# Altium PCB PCB2 - 副本 (2).PcbDoc (part 1 of 2)
Units mil, origin at the board's own origin, x right, y up, seen from the top; angles counter-clockwise.
Board outline 4130 x 4922 mil, 2 copper layers (Top Layer, Bottom Layer); 61 components, 137 nets, 441 pads, 163 vias.
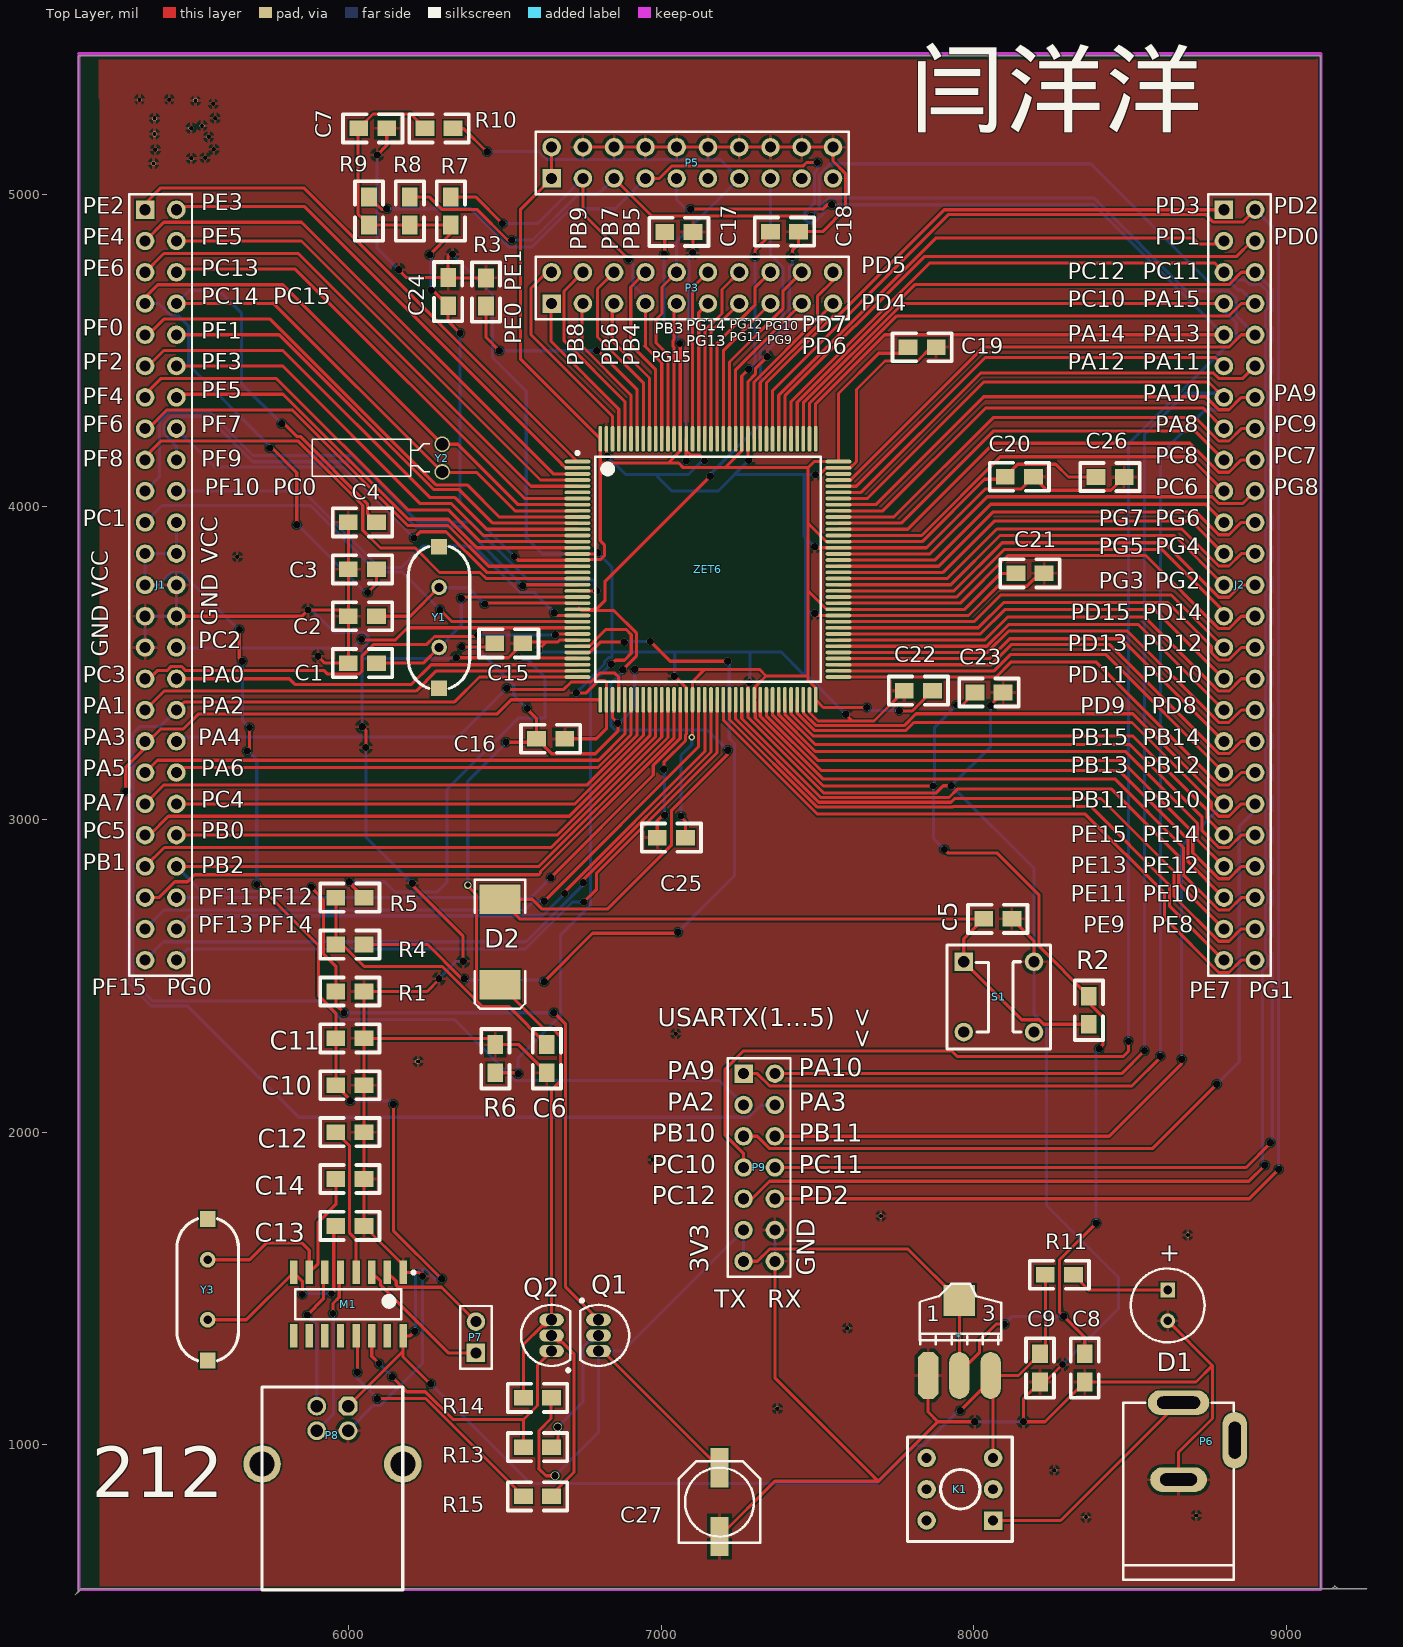
[diagram p0: Top Layer view]
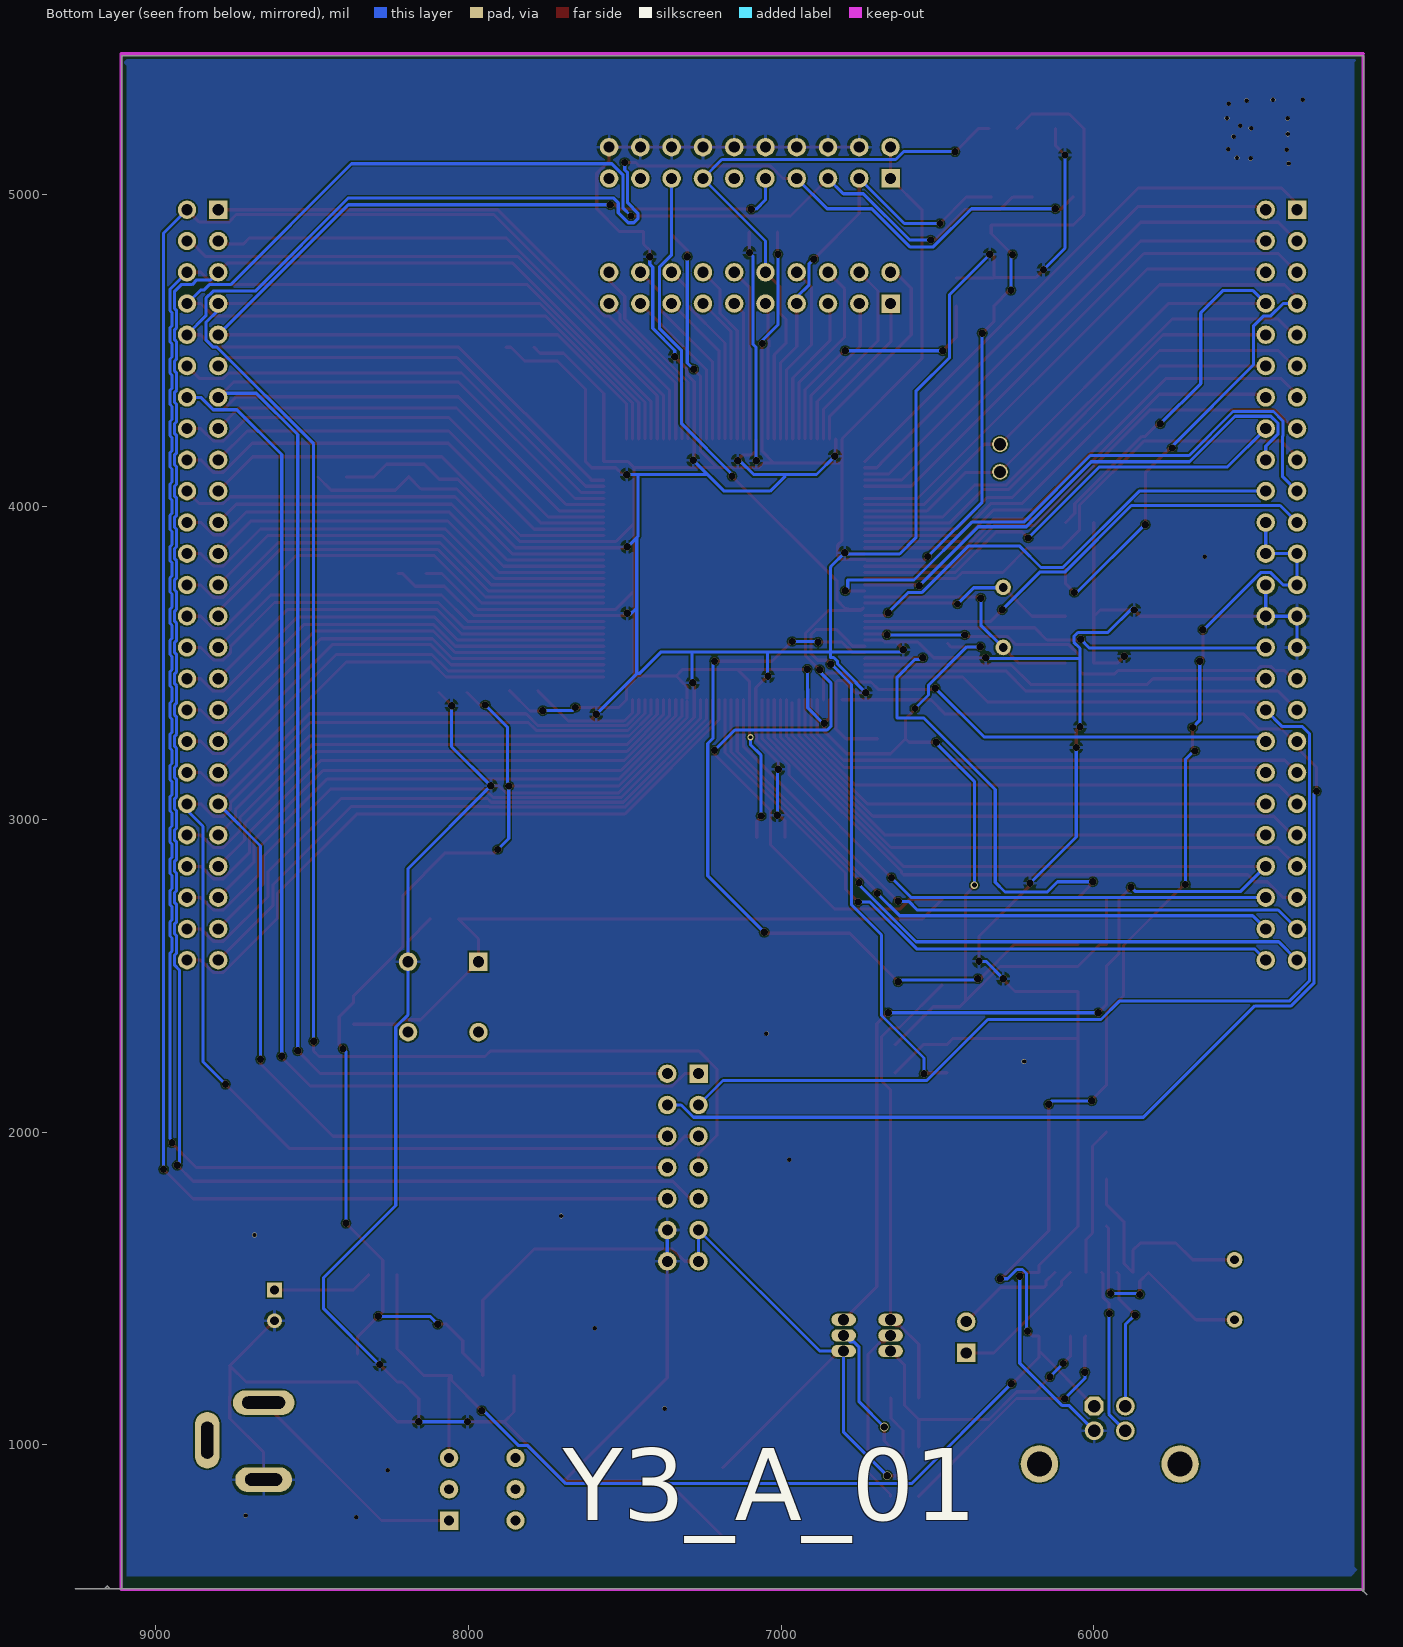
[diagram p1: Bottom Layer view, seen from below]

## Layer stack, top to bottom
Top Layer: signal copper 1.4
Dielectric: dielectric 12.6, FR-4, Dk 4.8
Bottom Layer: signal copper 1.4

## Board outline
6587,5443 5136,5443 5136,530 5127,521 5146,540 9257,540 9164,540 9155,549 9146,540 9109,540 9109,5443 6578,5443

## Design rules (kind name [scope] priority, off if disabled: settings)
Clearance [All] p1: gap=5
PolygonConnect [All] p1: connectstyle=Relief reliefconductorwidth=10 reliefentries=4 polygonreliefangle="90 Angle" airgapwidth=10
RoutingVias [All] p1: holewidth=23.62 width=23.62 viastyle="Through Hole" minholewidth=10 minwidth=10 maxholewidth=28 maxwidth=50
SilkToSilkClearance [All] p1: silktosilkclearance=3.94
SilkscreenOverComponentPads [All] p1: minsilkscreentomaskgap=5
SolderMaskExpansion [All] p1: expansion=4
Width [All] p1: maxlimit=10 minlimit=10 preferedwidth=10
26 further rules are at their usual default settings.

## Components (designator, comment, footprint, x,y, rotation, side; value= is the part's Value field where it differs from the comment)
* "ASM1117" AMS1117 7854,1222 r0 top
C1 "Cap" 0805 6000,3500 r0 top
C2 "Cap" 0805 6000,3650 r0 top
C3 "Cap" 0805 6000,3800 r0 top
C4 "Cap" 0805 6000,3950 r0 top
c5 "Cap" 0805 8122,2682 r180 top
C6 "Cap Semi" 0805 6634.94,2190 r90 top
C7 "Cap Semi" 0805 6123,5210 r180 top
C8 "Cap" 0805 8355,1201 r90 top
C9 "Cap" 0805 8212,1201 r90 top
C10 "Cap Semi" 0805 5960,2150 r0 top
C11 "Cap Semi" 0805 5960,2300 r0 top
C12 "Cap Semi" 0805 5960,2000 r0 top
C13 "Cap Semi" 0805 6050,1700 r180 top
C14 "Cap Semi" 0805 6050,1850 r180 top
C15 "Cap" 0805 6558,3563 r180 top
C16 "Cap" 0805 6692,3258 r180 top
C17 "Cap" 0805 7012,4879 r0 top
C18 "Cap" 0805 7440,4880 r180 top
C19 "Cap" 0805 7880,4510 r180 top
C20 "Cap" 0805 8191,4096 r180 top
C21 "Cap" 0805 8225,3787 r180 top
C22 "Cap" 0805 7778,3412 r0 top
C23 "Cap" 0805 8094,3406 r180 top
C24 "Cap" 0805 6319,4733 r270 top
C25 "Cap" 0805 6988,2942 r0 top
C26 "Cap" 0805 8481,4095 r180 top
C27 "Cap Pol1" CC6.56.5 7187,817 r270 top
D1 "LED3" RB.1 8620,1495 r90 top
D2 "Diode" SMC 6485,2608 r270 top
J1 "Edge Con 50" HDR2X25 5350,4950 r270 top
J2 "Edge Con 50" HDR2X25 8800,4950 r270 top
K1 "BUTTON" BTN8.5*8.5 8062,758 r180 top
M1 "CH340" ch340 6000,1450 r270 top
P3 "Header 10X2H" HDR2X10 6650,4650 r0 top
P5 "download" HDR2X10 6650,5050 r0 top
P6 "PWR2.5" POWER_002 8655,1135 r0 top
P7 "Header 2" HDR1X2 6408,1294 r90 top
P8 "MiNiUSB" USB_B1 5999,1124 r270 top
P9 "Header 7X2" HDR2X7 7264,2187 r270 top
Q1 "2N3904" TO-92A 6800,1350 r180 top
Q2 "2N3904" TO-92A 6650,1350 r0 top
R1 "Res2" 0805 5960,2450 r0 top
R2 "Res2" 0805 8368,2345 r90 top
R3 "Res2" 0805 6440,4642 r90 top
R4 "Res2" 0805 5960,2600 r0 top
R5 "Res2" 0805 5960,2750 r0 top
R6 "Res2" 0805 6470,2190 r90 top
R7 "Res2" 0805 6328,4991 r270 top
R8 "Res2" 0805 6197,4991 r270 top
R9 "Res2" 0805 6066,4991 r270 top
R10 "Res2" 0805 6335,5210 r180 top
R11 "Res2" 0805 8229,1544 r0 top
R13 "Res2" 0805 6650,992.5 r180 top
R14 "Res2" 0805 6650,1150 r180 top
R15 "Res2" 0805 6650,835 r180 top
S1 "SW-PB" key4 7968,2545 r270 top
Y1 "8MH" XTAL_US 6290,3550 r90 top
Y2 "32.76MH" XTAL4 6300,4200 r0 top
Y3 "12MHZ" XTAL_US 5550,1400 r90 top
ZET6 "MCU" LQFP144 7150,3800 r0 top

## Footprints (in the part's own frame and the unit in brackets; to place one, negate y for a bottom-side part, rotate by r counter-clockwise, add the part's x,y. Pads: shape width x height; smd on the part's side, far side on the other; paste and mask are expansions set on the pad)
0805 [mil]
  rect 60x50 smd: 1(0,-0.06) 2(90,-0.06)
  silkscreen extent -50,-45 140,45
AMS1117 [mil]
  oct 65x150 smd: 1(0.03,-0.06)
  oval 65x150 smd: 2(100.03,-0.06) 3(200.03,-0.06)
  rect 100x100 smd: 4(100.03,239.94)
  silkscreen extent -26,100 234,293
BTN8.5*8.5 [mm]
  rect 1.5x1.5 hole 0.8: 1(0,0)
  round 1.5 hole 0.8: 2(0,-2.54) 3(0,-5.08) 4(5.4,-5.08) 5(5.4,-2.54) 6(5.4,0)
  silkscreen extent -1.55,-6.79 6.95,1.71
CC6.56.5 [mm]
  rect 3.2x1.5 smd: 1(-2.794,0) 2(2.8,0)
  silkscreen extent -3.3,-3.3 3.3,3.3
ch340 [mm] "SOIC, 16-Leads, Body 8.6x4.0mm (max), Pitch 1.27mm, IPC Medium Density"
  rect 1.9x0.6 smd: 1(-2.575,4.445) 2(-2.575,3.175) 3(-2.575,1.905) 4(-2.575,0.635) 5(-2.575,-0.635) 6(-2.575,-1.905) 7(-2.575,-3.175) 8(-2.575,-4.445) 9(2.575,-4.445) 10(2.575,-3.175) 11(2.575,-1.905) 12(2.575,-0.635) 13(2.575,0.635) 14(2.575,1.905) 15(2.575,3.175) 16(2.575,4.445)
  silkscreen extent -2.7,-4.3 1.22,5.42, body extent -1.98,-4.28 1.97,4.28, height 1.7
HDR1X2 [mm] "Connector; Header; 2 Position"
  rect 1.5x1.5 hole 0.9: 1(0,0)
  round 1.5 hole 0.9: 2(2.54,0)
  silkscreen extent -1.27,-1.27 3.81,1.27
HDR2X7 [mm] "Connector; Header; 7x2 Position"
  rect 1.5x1.5 hole 0.9: 1(0,0)
  round 1.5 hole 0.9: 2(0,2.54) 3(2.54,0) 4(2.54,2.54) 5(5.08,0) 6(5.08,2.54) 7(7.62,0) 8(7.62,2.54) 9(10.16,0) 10(10.16,2.54) 11(12.7,0) 12(12.7,2.54) 13(15.24,0) 14(15.24,2.54)
  silkscreen extent -1.27,-1.27 16.51,3.81
HDR2X10 [mm] "Connector; Header; 10x2 Position"
  rect 1.5x1.5 hole 0.9: 1(0,0)
  round 1.5 hole 0.9: 2(0,2.54) 3(2.54,0) 4(2.54,2.54) 5(5.08,0) 6(5.08,2.54) 7(7.62,0) 8(7.62,2.54) 9(10.16,0) 10(10.16,2.54) 11(12.7,0) 12(12.7,2.54) 13(15.24,0) 14(15.24,2.54) 15(17.78,0) 16(17.78,2.54) 17(20.32,0) 18(20.32,2.54) 19(22.86,0) 20(22.86,2.54)
  silkscreen extent -1.27,-1.27 24.13,3.81
HDR2X25 [mm] "Connector; Header; 25x2 Position"
  rect 1.5x1.5 hole 0.9: 1(0,0)
  round 1.5 hole 0.9: 2(0,2.54) 3(2.54,0) 4(2.54,2.54) 5(5.08,0) 6(5.08,2.54) 7(7.62,0) 8(7.62,2.54) 9(10.16,0) 10(10.16,2.54) 11(12.7,0) 12(12.7,2.54) 13(15.24,0) 14(15.24,2.54) 15(17.78,0) 16(17.78,2.54) 17(20.32,0) 18(20.32,2.54) 19(22.86,0) 20(22.86,2.54) 21(25.4,0) 22(25.4,2.54) 23(27.94,0) 24(27.94,2.54) 25(30.48,0) 26(30.48,2.54) 27(33.02,0) 28(33.02,2.54) 29(35.56,0) 30(35.56,2.54) 31(38.1,0) 32(38.1,2.54) 33(40.64,0) 34(40.64,2.54) 35(43.18,0) 36(43.18,2.54) 37(45.72,0) 38(45.72,2.54) 39(48.26,0) 40(48.26,2.54) 41(50.8,0) 42(50.8,2.54) 43(53.34,0) 44(53.34,2.54) 45(55.88,0) 46(55.88,2.54) 47(58.42,0) 48(58.42,2.54) 49(60.96,0) 50(60.96,2.54)
  silkscreen extent -1.27,-1.27 62.23,3.81
key4 [mm]
  round 1.5 hole 0.9: 1(0,5.715) 3(5.715,0) 4(5.715,5.715)
  rect 1.5x1.5 hole 0.9: 2(0,0)
  silkscreen extent -1.37,-1.35 7.09,7.04
LQFP144 [mm] "144-Pin Thin Quad Flat Pack 0.5 mm Pitch, IPC Low Density"
  oval 2.1x0.3 smd: 1(-10.6,8.75) 2(-10.6,8.25) 3(-10.6,7.75) 4(-10.6,7.25) 5(-10.6,6.75) 6(-10.6,6.25) 7(-10.6,5.75) 8(-10.6,5.25) 9(-10.6,4.75) 10(-10.6,4.25) 11(-10.6,3.75) 12(-10.6,3.25) 13(-10.6,2.75) 14(-10.6,2.25) 15(-10.6,1.75) 16(-10.6,1.25) 17(-10.6,0.75) 18(-10.6,0.25) 19(-10.6,-0.25) 20(-10.6,-0.75) 21(-10.6,-1.25) 22(-10.6,-1.75) 23(-10.6,-2.25) 24(-10.6,-2.75) 25(-10.6,-3.25) 26(-10.6,-3.75) 27(-10.6,-4.25) 28(-10.6,-4.75) 29(-10.6,-5.25) 30(-10.6,-5.75) 31(-10.6,-6.25) 32(-10.6,-6.75) 33(-10.6,-7.25) 34(-10.6,-7.75) 35(-10.6,-8.25) 36(-10.6,-8.75) 73(10.6,-8.75) 74(10.6,-8.25) 75(10.6,-7.75) 76(10.6,-7.25) 77(10.6,-6.75) 78(10.6,-6.25) 79(10.6,-5.75) 80(10.6,-5.25) 81(10.6,-4.75) 82(10.6,-4.25) 83(10.6,-3.75) 84(10.6,-3.25) 85(10.6,-2.75) 86(10.6,-2.25) 87(10.6,-1.75) 88(10.6,-1.25) 89(10.6,-0.75) 90(10.6,-0.25) 91(10.6,0.25) 92(10.6,0.75) 93(10.6,1.25) 94(10.6,1.75) 95(10.6,2.25) 96(10.6,2.75) 97(10.6,3.25) 98(10.6,3.75) 99(10.6,4.25) 100(10.6,4.75) 101(10.6,5.25) 102(10.6,5.75) 103(10.6,6.25) 104(10.6,6.75) 105(10.6,7.25) 106(10.6,7.75) 107(10.6,8.25) 108(10.6,8.75)
  oval 0.3x2.1 smd: 37(-8.75,-10.6) 38(-8.25,-10.6) 39(-7.75,-10.6) 40(-7.25,-10.6) 41(-6.75,-10.6) 42(-6.25,-10.6) 43(-5.75,-10.6) 44(-5.25,-10.6) 45(-4.75,-10.6) 46(-4.25,-10.6) 47(-3.75,-10.6) 48(-3.25,-10.6) 49(-2.75,-10.6) 50(-2.25,-10.6) 51(-1.75,-10.6) 52(-1.25,-10.6) 53(-0.75,-10.6) 54(-0.25,-10.6) 55(0.25,-10.6) 56(0.75,-10.6) 57(1.25,-10.6) 58(1.75,-10.6) 59(2.25,-10.6) 60(2.75,-10.6) 61(3.25,-10.6) 62(3.75,-10.6) 63(4.25,-10.6) 64(4.75,-10.6) 65(5.25,-10.6) 66(5.75,-10.6) 67(6.25,-10.6) 68(6.75,-10.6) 69(7.25,-10.6) 70(7.75,-10.6) 71(8.25,-10.6) 72(8.75,-10.6) 109(8.75,10.6) 110(8.25,10.6) 111(7.75,10.6) 112(7.25,10.6) 113(6.75,10.6) 114(6.25,10.6) 115(5.75,10.6) 116(5.25,10.6) 117(4.75,10.6) 118(4.25,10.6) 119(3.75,10.6) 120(3.25,10.6) 121(2.75,10.6) 122(2.25,10.6) 123(1.75,10.6) 124(1.25,10.6) 125(0.75,10.6) 126(0.25,10.6) 127(-0.25,10.6) 128(-0.75,10.6) 129(-1.25,10.6) 130(-1.75,10.6) 131(-2.25,10.6) 132(-2.75,10.6) 133(-3.25,10.6) 134(-3.75,10.6) 135(-4.25,10.6) 136(-4.75,10.6) 137(-5.25,10.6) 138(-5.75,10.6) 139(-6.25,10.6) 140(-6.75,10.6) 141(-7.25,10.6) 142(-7.75,10.6) 143(-8.25,10.6) 144(-8.75,10.6)
  silkscreen extent -10.72,-9.15 9.15,9.57, body extent -10,-10 10,10, height 1.6
POWER_002 [mm]
  oval 5x2 hole 1 slot 3.5 at 0 deg: 1(0,0)
  oval 4.6x2 hole 1 slot 3 at 0 deg: 2(0,-6.25)
  oval 2x4.6 hole 1 slot 3 at 90 deg: 3(4.572,-3.048)
  silkscreen extent -4.5,-14.4 4.5,0, body extent -4.76,-13.66 4.75,0.17, height 11.02
RB.1 [mm]
  rect 1.2x1.2 hole 0.7: 1(0.001,-0.007)
  round 1.2 hole 0.7: 2(-2.499,-0.007)
  silkscreen extent -4.25,-3.01 1.75,2.99
SMC [mm] "DO-214-AB/SMC; 2 C-Bend Leads; Body 7.9 x 5.9 mm, inc. leads (LxW)"
  rect 2.4x3.3 smd: 1(-3.475,0) 2(3.475,0)
  silkscreen extent -5.07,-2.05 5.43,2.05
TO-92A [mm] "TO, Flat Index; 3 In-Line, Axial Leads; Body Dia. 4.5mm; Leads 0.51 x 0.48 mm (max)"
  oval 2x1 hole 0.9: 1(0,-1.27) 2(0,0) 3(0,1.27)
  silkscreen extent -2.48,-2.95 1.5,2.48, body extent -2.5,-2.5 1.5,2.5, height 6.86
USB_B1 [mil] "USB方?"
  oct 60x60 hole 40: 1(0,0)
  round 60 hole 40: 2(0,-100) 3(78.74,-100) 4(78.74,0)
  round 120 hole 80: 5(185.04,175) 6(185.04,-275)
  silkscreen extent -61,-275 589,175
XTAL4 [mm]
  round 1.27 hole 1: 1(0,0) 2(0,-2.25)
  silkscreen extent -10.55,-2.61 -1.01,0.39
XTAL_US [mil]
  round 50 hole 28: 1(0,0) 2(192.13,0)
  rect 50x50 smd: ""(-130.32,0) ""(322.44,0)
  silkscreen extent -131,-98 323,98

## Part data
C1 C2 C3 C4 c5 C8 C9 C15 C16 C17 C18 C19 C20 C21 C22 C23 C24 C25 C26: "Capacitor"
C6 C7 C10 C11 C12 C13 C14: "Capacitor (Semiconductor SIM Model)"
C27: "Polarized Capacitor (Radial)"
D1: "Typical BLUE SiC LED"
D2: "Default Diode"
J1 J2: "50-Pin Edge Connector"
P3: "Header, 10-Pin, Dual row, Right Angle"
P6: "Low Voltage Power Supply Connector"
P7: "Header, 2-Pin"
P8: library part "Header 6", "Header, 6-Pin"
P9: "Header, 7-Pin, Dual row"
Q1 Q2: "NPN General Purpose Amplifier"
R1 R2 R3 R4 R5 R6 R7 R8 R9 R10 R11 R13 R14 R15: "Resistor"
S1: "Switch"
Y1 Y2 Y3: library part XTAL, "Crystal Oscillator"
ZET6: library part Component_1

## Via types
v1: diameter 23.62, hole 23.62, Top Layer to Bottom Layer, tented both sides, 133 vias
v2: diameter 15, hole 14, Top Layer to Bottom Layer, tented both sides, 26 vias
v3: diameter 27.56, hole 23.62, Top Layer to Bottom Layer, tented both sides, 2 vias
v4: diameter 19.68, hole 11.81, Top Layer to Bottom Layer, tented both sides, 1 vias
v5: diameter 23.62, hole 15.75, Top Layer to Bottom Layer, tented both sides, 1 vias

## Nets (pads, with @x,y where several pads share a name; then routed paths per layer and width w, separated by ;. In a path a pad name is that pad's centre, name@x,y a point inside that pad or via, vN(x,y) a via of type N, cw(c..) or ccw(c..) an arc to the next point about the centre after c; other vN are vias at no path point)
BOOT0: R3.1 ZET6.138 | length 810.9
  Top Layer w10: R3.1@6440.06,4642 6440.06,4541.94 v1(6483,4499) ; v1(6795,4499) 6799,4499 6923.62,4374.38 ZET6.138@6923.62,4217.32
  Bottom Layer w10: v1(6483,4499) 6484,4498 6485,4499 v1(6795,4499)
NetC12_1: C12.1 M1.4 | length 475.5
  Top Layer w10: C12.1@5960,1999.94 6004,1955.94 6004,1676.92 6025,1655.92 M1.4@6025,1551.38
NetC13_2: C13.2 M1.8 Y3.1 | length 735.8
  Top Layer w10: Y3.1@5550,1400 5673.62,1400 M1.8@5825,1551.38 5853,1523.38 v1(5853,1481) ; v1(5946,1484) 5953.19,1491.19 5953.19,1693.25 C13.2@5960,1700.06
  Bottom Layer w10: v1(5853,1481) 5856,1484 v1(5946,1484)
NetC14_2: C14.2 M1.7 Y3.2 | length 760.9
  Top Layer w10: Y3.2@5550,1592.13 5684.13,1592.13 5737,1645 5852,1645 5875,1622 M1.7@5875,1551.38 5903.19,1579.57 5903.19,1712.4 5960,1769.21 C14.2@5960,1850.06
NetD1_1: D1.1 R11.2 | length 321.5
  Top Layer w10: R11.2@8319,1543.94 8367.88,1495.06 D1.1@8620.29,1495.06
NetD2_2: D2.2 Q2.3 R14.2 | length 1474
  Top Layer w10: D2.2@6485,2471.19 6623.19,2333 6651.14,2333 6679,2305.14 6679,2164.86 6650,2135.86 Q2.3@6650,1400 6629.69,1379.68 6618.02,1379.68 6560,1321.66 R14.2@6560,1150.06
NetK1_1: K1.1 P6.1 | length 749.2
  Top Layer w10: K1.1@8062,758 8278,758 P6.1@8655,1135
NetM1_2: M1.2 P7.2 | length 356
  Top Layer w10: M1.2@6125,1551.38 6153.19,1523.19 6153.19,1509.83 6159.05,1503.98 6298.02,1503.98 P7.2@6408,1394
NetM1_3: M1.3 P7.1 | length 447.4
  Top Layer w10: M1.3@6075,1551.38 6103.19,1523.19 6103.19,1509.83 6319.02,1294 P7.1@6408,1294
NetM1_5: M1.5 P8.3 | length 539
  Top Layer w10: v1(5951,1420) 5951,1452 5971,1472 5971,1547.38 M1.5@5975,1551.38
  Bottom Layer w10: P8.3@5899,1045.26 5952,1098.26 5952,1420 v1(5951,1420)
NetM1_6: M1.6 P8.2 | length 464.4
  Top Layer w10: v1(5868,1415) 5920,1467 5920,1546.38 M1.6@5925,1551.38
  Bottom Layer w10: v1(5868,1415) 5869,1415 5899,1385 P8.2@5899,1124
NetM1_13: M1.13 R15.2 | length 826.2
  Top Layer w10: M1.13@6025,1348.62 6029,1344.62 v1(6029,1232) ; v1(6093,1148) 6247.06,1148 R15.2@6560,835.06
  Bottom Layer w10: v1(6029,1232) 6028,1231 6028,1213 v1(6093,1148)
NetM1_14: M1.14 Q2.1 R13.2 | length 981.4
  Top Layer w10: M1.14@6075,1348.62 6075,1283 v1(6098,1260) ; v1(6140,1218) 6140,1217 6187.19,1169.81 6246.47,1169.81 6335.35,1080.92 6560,1080.92 ; R13.2@6560,992.56 6560,1080.92 ; Q2.1@6650,1300 6605,1255 6605,1125.92 6560,1080.92
  Bottom Layer w10: v1(6098,1260) 6098,1257 6101,1257 v1(6140,1218)
NetP6_3: P6.3
NetQ1_2: Q1.2 R13.1 | length 426.4
  Top Layer w10: R13.1@6650,992.56 6670,1012.57 v3(6670,1057)
  Bottom Layer w10: v3(6670,1057) 6750.63,1137.63 6750.63,1312.3 6768.02,1329.68 6779.69,1329.68 Q1.2@6800,1350
NetQ2_2: Q2.2 R15.1 | length 581.4
  Top Layer w10: R15.1@6650,835.06 6650,841 6722,913 6722,1289.67 6681.98,1329.68 6670.31,1329.68 Q2.2@6650,1350
NRST: c5.2 D2.1 P5.15 R2.1 S1.2 ZET6.25 | length 5893.2
  Top Layer w10: v1(6877,3479) 6877.11,3479 6922,3523.89 6922,3595 6848.73,3668.27 6744.02,3668.27 6736.46,3675.83 6747.31,3672 6777,3672 6795.83,3675.83 6821,3701 6821,3762 v1(7157,4098) ; v1(7213,3221) 7213,3209 7033.81,3029.81 7033.81,2918.6 6829.4,2714.19 6618.97,2714.19 6588.34,2744.81 D2.1@6485,2744.81 6547.75,2682.06 c5.2@8032,2682.06 7968,2618.07 S1.2@7968,2545 8153.47,2359.53 8209.37,2359.53 8223.9,2345 R2.1@8368.06,2345
  Bottom Layer w10: v1(6877,3479) 6877,3472 6840.19,3435.19 6840.19,3298.97 6852.97,3286.19 7147.81,3286.19 v1(7213,3221) ; v1(7157,4098) 7157,4104 7318.19,4265.19 7318.19,4499.4 7389.53,4570.74 7389.53,4766.37 7350,4805.9 P5.15@7350,5050
OSC_IN: C1.2 Y1.1 ZET6.23 | length 781.2
  Top Layer w10: C1.2@6090,3499.94 6239.94,3499.94 Y1.1@6290,3550 ; v1(6361,3708) 6364.42,3711.42 ZET6.23@6732.68,3711.42
  Bottom Layer w10: Y1.1@6290,3550 6361,3621 v1(6361,3708)
OSC_OUT: C2.2 Y1.2 ZET6.24 | length 708
  Top Layer w10: C2.2@6090,3649.94 6197.81,3649.94 Y1.2@6290,3742.12 ; v1(6436,3689) 6436,3691.46 6435.73,3691.73 ZET6.24@6732.68,3691.73
  Bottom Layer w10: Y1.2@6290,3742.12 6291.12,3741 6384,3741 6435,3690 6437,3690 v1(6436,3689)
PA0: J1.32 ZET6.34 | length 1316.2
  Top Layer w10: J1.32@5450,3450 5811,3450 5829,3432 6202,3432 6264.88,3494.88 ZET6.34@6732.68,3494.88
PA1: J1.33 ZET6.35 | length 1434.5
  Top Layer w10: J1.33@5350,3350 5410.47,3410.47 6216.65,3410.47 6281.37,3475.2 ZET6.35@6732.68,3475.2
PA2: J1.34 P9.3 ZET6.36 | length 4406.2
  Top Layer w10: J1.34@5450,3350 5476,3376 6340,3376 6419.51,3455.51 ZET6.36@6732.68,3455.51
  Bottom Layer w10: J1.34@5450,3350 5397,3297 5332.57,3297 5310.47,3274.9 5310.47,2483.53 5375,2419 5918.15,2419 5976.97,2360.19 6338.97,2360.19 6533.97,2165.19 7185.81,2165.19 P9.3@7264,2087
PA3: J1.35 P9.4 ZET6.37 | length 4575.5
  Top Layer w10: v1(5288,3090) 5288,3167.06 5350,3229.06 J1.35@5350,3250 5360,3250 5399.53,3289.53 5472.53,3289.53 5520,3337 6475,3337 6520.68,3382.68 ZET6.37@6805.51,3382.68
  Bottom Layer w10: v1(5288,3090) 5289,3090 5295.47,3083.53 5295.47,2477.31 5368.79,2404 5485,2404 5841.53,2047.47 7280.37,2047.47 7319.9,2087 P9.4@7364,2087
PA4: J1.36 ZET6.40 | length 1588.4
  Top Layer w10: v1(6507,3420) 6507,3416 6689,3416 6712.61,3439.61 6774.7,3439.61 6803,3467.91 6852.09,3467.91 6864.57,3455.43 ZET6.40@6864.57,3382.68
  Bottom Layer w10: J1.36@5450,3250 5464,3264 6351,3264 v1(6507,3420)
PA5: J1.37 ZET6.41 | length 1694.7
  Top Layer w10: J1.37@5350,3150 5389.53,3189.53 6800.53,3189.53 6884.25,3273.25 ZET6.41@6884.25,3382.68
PA6: J1.38 ZET6.42 | length 1615.5
  Top Layer w10: J1.38@5450,3150 5466,3166 6798.46,3166 6903.94,3271.48 ZET6.42@6903.94,3382.68
PA7: J1.39 ZET6.43 | length 1777.5
  Top Layer w10: J1.39@5350,3050 5410.47,3110.47 6764.14,3110.47 6923.62,3269.95 ZET6.43@6923.62,3382.68
PA8: J2.15 ZET6.100 | length 1396.3
  Top Layer w10: ZET6.100@7567.32,3987.01 7709.01,3987.01 8038,4316 8734,4316 J2.15@8800,4250
PA9: J2.14 P9.1 ZET6.101 | length 5209
  Top Layer w10: P9.1@7264,2187 7308.1,2187 7347.63,2147.47 8505.47,2147.47 8601,2243 v1(8597,2243) ; ZET6.101@7567.32,4006.69 7686.69,4006.69 8032,4352 8742.1,4352 8783.63,4310.47 8816.37,4310.47 8855.9,4350 J2.14@8900,4350
  Bottom Layer w10: v1(8597,2243) 8597,4167 8740.47,4310.47 8816.37,4310.47 8855.9,4350 J2.14@8900,4350
PA10: J2.13 P9.2 ZET6.102 | length 4904.6
  Top Layer w10: P9.2@7364,2187 8473,2187 v1(8546,2260) ; ZET6.102@7567.32,4026.38 7659.38,4026.38 8032,4399 8751,4399 J2.13@8800,4350
  Bottom Layer w10: v1(8546,2260) 8546,4231 8678,4363 8787,4363 J2.13@8800,4350
PA11: J2.12 ZET6.103 | length 1514.5
  Top Layer w10: ZET6.103@7567.32,4046.06 7640.06,4046.06 8022,4428 8766.1,4428 8783.63,4410.47 8860.47,4410.47 J2.12@8900,4450
PA12: J2.11 ZET6.104 | length 1414.2
  Top Layer w10: ZET6.104@7567.32,4065.75 7624.75,4065.75 8036,4477 8773,4477 J2.11@8800,4450
PA13: J2.10 P5.7 R9.1 ZET6.105 | length 5050
  Top Layer w10: R9.1@6065.94,4991 6105.93,4951 6121,4951 v1(6123,4953) ; P5.7@6950,5050 6994.1,5050 7033.63,5089.53 7453.53,5089.53 7465,5101 v1(7500,5101) ; ZET6.105@7567.32,4085.43 7567.76,4085 7607.12,4085 7609.34,4089.21 8030.6,4510.47 8816.37,4510.47 8855.9,4550 J2.10@8900,4550
  Bottom Layer w10: v1(6123,4953) 6391.15,4953 6512.97,4831.19 6588.4,4831.19 6710.21,4953 6853,4953 P5.7@6950,5050 ; v1(7500,5101) 7500,5077.11 7491,5068.11 7491,4971.85 7458.19,4939.03 7458.19,4920.97 7470.97,4908.19 7489.03,4908.19 7521,4940.15 7521,4971.85 7536.97,4987.81 8383.4,4987.81 8681.69,4689.53 8816.37,4689.53 8839.53,4666.37 8839.53,4610.47 J2.10@8900,4550
PA14: J2.9 P5.9 ZET6.109 | length 3517.6
  Top Layer w10: v1(7095,4952) 7517,4952 7531,4966 v1(7546,4966) ; ZET6.109@7494.49,4217.32 7494.49,4329.64 7714.85,4550 J2.9@8800,4550
  Bottom Layer w10: P5.9@7050,5050 7050,4982 7080,4952 v1(7095,4952) ; v1(7546,4966) 8384,4966 J2.9@8800,4550
PA15: J2.8 P5.5 R8.1 ZET6.110 | length 4879
  Top Layer w10: R8.1@6196.94,4991 6258.79,4991 6298.79,4951 6411,4951 6509,4853 v1(6522,4853) ; P5.5@6850,5050 6970,4930 v1(7480,4930) ; ZET6.110@7474.8,4217.32 7474.8,4331.16 7754.11,4610.47 8816.37,4610.47 8855.9,4650 J2.8@8900,4650
  Bottom Layer w10: v1(6522,4853) 6589,4853 6737,5001 6801,5001 P5.5@6850,5050 ; v1(7480,4930) 7506,4956 7506,5061.9 7541.1,5097 8373.94,5097 8760.47,4710.47 8828.53,4710.47 8846,4693 8857,4693 J2.8@8900,4650
PB0: J1.42 ZET6.46 | length 1780.6
  Top Layer w10: J1.42@5450,2950 6667.31,2950 6971.22,3253.91 6982.68,3265.37 ZET6.46@6982.68,3382.68
PB1: J1.43 ZET6.47 | length 1942.6
  Top Layer w10: J1.43@5350,2850 5351,2850 5411.47,2910.47 6649,2910.47 6977.43,3238.91 7002.36,3263.84 ZET6.47@7002.36,3382.68
PB2: J1.44 Q1.1 R1.1 ZET6.48 | length 4490.6
  Top Layer w10: J1.44@5450,2850 6609.74,2850 6983.64,3223.91 7022.05,3262.31 ZET6.48@7022.05,3382.68 ; v1(5881,2783) 5920,2744 5920,2570.79 5960,2530.79 R1.1@5960,2449.94 5960,2408 v1(5986,2382) ; v1(6657,2382) 6659,2382 6694,2347 6694,1506 Q1.1@6800,1400
  Bottom Layer w10: J1.44@5450,2850 5530,2770 5868,2770 v1(5881,2783) ; v1(5986,2382) v1(6657,2382)
PB3: P3.10 P5.13 R10.1 ZET6.133 | length 1939.9
  Top Layer w10: R10.1@6335,5210.06 6367.94,5210.06 6442,5136 v1(6444,5136) ; ZET6.133@7022.05,4217.32 7022.05,4485.95 6984,4524 6984,4599 7003,4618 7003,4703 P3.10@7050,4750
  Bottom Layer w10: v1(6444,5136) 6608.1,5136 6633.63,5110.47 7189.53,5110.47 P5.13@7250,5050 7050,4850 P3.10@7050,4750
PB4: P3.7 P5.3 R7.1 ZET6.134 | length 1455.8
  Top Layer w10: R7.1@6327.94,4991 6407,4991 v1(6492,4906) ; P5.3@6750,5050 6750,4938 v1(6896,4792) ; P3.7@6950,4650 6950,4516 6948,4514 7002.36,4459.64 ZET6.134@7002.36,4217.32
  Bottom Layer w10: v1(6492,4906) 6606,4906 P5.3@6750,5050 ; v1(6896,4792) 6910.47,4777.53 6910.47,4710.47 6950,4670.94 P3.7@6950,4650
PB5: P3.8 ZET6.135 | length 585.1
  Top Layer w10: P3.8@6950,4750 6903,4703 6903,4518 6982.68,4438.32 ZET6.135@6982.68,4217.32
PB6: P3.5 ZET6.136 | length 484.5
  Top Layer w10: P3.5@6850,4650 6844,4644 6844,4531 6962.99,4412.01 ZET6.136@6962.99,4217.32
PB7: P3.6 ZET6.137 | length 615.2
  Top Layer w10: P3.6@6850,4750 6797,4697 6797,4543 6943.31,4396.69 ZET6.137@6943.31,4217.32
PB8: P3.3 ZET6.139 | length 498.9
  Top Layer w10: P3.3@6750,4650 6747,4647 6747,4514 6903.94,4357.06 ZET6.139@6903.94,4217.32
PB9: P3.4 ZET6.140 | length 638
  Top Layer w10: P3.4@6750,4750 6690,4690 6690,4531 6884.25,4336.75 ZET6.140@6884.25,4217.32
PB10: J2.40 P9.5 ZET6.69 | length 4256.6
  Top Layer w10: P9.5@7264,1987 7308.1,1987 7347.63,1947.47 8571.47,1947.47 v1(8777,2153) ; ZET6.69@7435.43,3382.68 7435.43,3339.14 7489.57,3285 7783.49,3285 7808.49,3310 8506,3310 8760.47,3055.53 8760.47,3033.63 8783.63,3010.47 8816.37,3010.47 8855.9,3050 J2.40@8900,3050
  Bottom Layer w10: v1(8777,2153) 8849,2225 8849,2978.06 8900,3029.06 J2.40@8900,3050
PB11: J2.39 P9.6 ZET6.70 | length 3822.8
  Top Layer w10: P9.6@7364,1987 8433,1987 8665,2219 v1(8665,2233) ; ZET6.70@7455.12,3382.68 7455.12,3340.67 7495.79,3300 7777.28,3300 7815.28,3338 8509,3338 8797,3050 J2.39@8800,3050
  Bottom Layer w10: v1(8665,2233) 8665,2915 J2.39@8800,3050
PB12: J2.38 ZET6.73 | length 1532.1
  Top Layer w10: ZET6.73@7567.32,3455.51 8071.51,3455.51 8120,3504 8390.1,3504 8783.63,3110.47 8816.37,3110.47 8855.9,3150 J2.38@8900,3150
PB13: J2.37 ZET6.74 | length 1411.1
  Top Layer w10: ZET6.74@7567.32,3475.2 8065.2,3475.2 8118,3528 8422,3528 J2.37@8800,3150
PB14: J2.36 ZET6.75 | length 1520
  Top Layer w10: ZET6.75@7567.32,3494.88 8055.88,3494.88 8120,3559 8435.1,3559 8783.63,3210.47 8816.37,3210.47 8855.9,3250 J2.36@8900,3250
PB15: J2.35 ZET6.76 | length 1394.8
  Top Layer w10: ZET6.76@7567.32,3514.57 8051.57,3514.57 8115,3578 8472,3578 J2.35@8800,3250
PC0: J1.20 ZET6.26 | length 1503.7
  Top Layer w10: v1(6658,3661) 6666.64,3652.36 ZET6.26@6732.68,3652.36
  Bottom Layer w10: J1.20@5450,4050 5855,4050 6099,3806 6169,3806 6237,3874 6401.15,3874 6548.97,3726.19 6592.81,3726.19 v1(6658,3661)
PC1: J1.21 ZET6.27 | length 1558.9
  Top Layer w10: v1(6293,3671) 6331.32,3632.68 ZET6.27@6732.68,3632.68
  Bottom Layer w10: J1.21@5350,3950 5404,4004 5879.79,4004 6092.79,3791 6173,3791 v1(6293,3671)
PC2: J1.30 ZET6.28 | length 1312.1
  Top Layer w10: v1(6042,3576) 6044,3574 6150,3574 6188.99,3612.99 ZET6.28@6732.68,3612.99
  Bottom Layer w10: J1.30@5450,3550 5452,3548 6014,3548 v1(6042,3576)
PC3: J1.31 ZET6.29 | length 1490.7
  Top Layer w10: J1.31@5350,3450 5363,3450 5389,3476 5420.1,3476 5433.63,3489.53 5466.37,3489.53 5479.9,3476 5923,3476 5934.06,3464.94 6034.14,3464.94 6044,3474.79 6044,3523.08 6079.92,3559 6249.5,3559 6275.5,3585 6408,3585 v1(6413,3590) ; v1(6661.47,3590.53) 6664.25,3593.31 ZET6.29@6732.68,3593.31
  Bottom Layer w10: v1(6413,3590) 6413.06,3590 6413.53,3589.53 v1(6661.47,3590.53)
PC4: J1.40 ZET6.44 | length 1698
  Top Layer w10: J1.40@5450,3050 6724.88,3050 6943.31,3268.42 ZET6.44@6943.31,3382.68
PC5: J1.41 ZET6.45 | length 1851.3
  Top Layer w10: J1.41@5350,2950 5364,2950 5424.47,3010.47 6706.57,3010.47 6965,3268.9 ZET6.45@6965,3373.11
PC6: J2.19 ZET6.96 | length 1382.5
  Top Layer w10: ZET6.96@7567.32,3908.27 7833.27,3908.27 8085,4160 8690,4160 J2.19@8800,4050
PC7: J2.18 ZET6.97 | length 1501.3
  Top Layer w10: ZET6.97@7567.32,3927.95 7788.95,3927.95 8064,4203 8691.1,4203 8783.63,4110.47 8816.37,4110.47 8855.9,4150 J2.18@8900,4150
PC8: J2.17 ZET6.98 | length 1392.7
  Top Layer w10: ZET6.98@7567.32,3947.64 7767.64,3947.64 8062,4242 8708,4242 J2.17@8800,4150
PC9: J2.16 ZET6.99 | length 1511.5
  Top Layer w10: ZET6.99@7567.32,3967.32 7744.32,3967.32 8062,4285 8709.1,4285 8783.63,4210.47 8816.37,4210.47 8855.9,4250 J2.16@8900,4250
PC10: J2.7 P9.7 ZET6.111 | length 5816.4
  Top Layer w10: P9.7@7264,1887 7264,1931.1 7205,1990.1 7205,2201.2 7263.8,2260 7929,2260 7947,2242 8478,2242 8495,2259 v1(8495,2291) ; ZET6.111@7455.12,4217.32 7455.12,4332.69 7772.43,4650 J2.7@8800,4650
  Bottom Layer w10: v1(8495,2291) 8495,4201.21 8804.26,4510.47 8816.37,4510.47 8839.53,4533.63 8839.53,4589.26 8800,4628.79 J2.7@8800,4650
PC11: J2.6 P9.8 ZET6.112 | length 6284
  Top Layer w10: P9.8@7364,1887 8871,1887 v1@8947,1963 ; ZET6.112@7435.43,4217.32 7435.43,4334.22 7811.69,4710.47 8816.37,4710.47 8855.9,4750 J2.6@8900,4750
  Bottom Layer w10: J2.6@8900,4750 8954.53,4695.47 8954.53,4627.41 8948,4620.89 8948,4579.11 8954.53,4572.59 8954.53,4527.41 8948,4520.89 8948,4479.11 8954.53,4472.59 8954.53,4427.41 8948,4420.89 8948,4379.11 8954.53,4372.59 8954.53,4327.41 8948,4320.89 8948,4279.11 8954.53,4272.59 8954.53,4227.41 8948,4220.89 8948,4179.11 8954.53,4172.59 8954.53,4127.41 8948,4120.89 8948,4079.11 8954.53,4072.59 8954.53,4027.41 8948,4020.89 8948,3979.11 8954.53,3972.59 8954.53,3927.41 8948,3920.89 8948,3879.11 8954.53,3872.59 8954.53,3827.41 8948,3820.89 8948,3779.11 8954.53,3772.59 8954.53,3727.41 8948,3720.89 8948,3679.11 8954.53,3672.59 8954.53,3627.41 8948,3620.89 8948,3579.11 8954.53,3572.59 8954.53,3527.41 8948,3520.89 8948,3479.11 8954.53,3472.59 8954.53,3427.41 8948,3420.89 8948,3379.11 8954.53,3372.59 8954.53,3327.41 8948,3320.89 8948,3279.11 8954.53,3272.59 8954.53,3227.41 8948,3220.89 8948,3179.11 8954.53,3172.59 8954.53,3127.41 8948,3120.89 8948,3079.11 8954.53,3072.59 8954.53,3027.41 8948,3020.89 8948,2979.11 8954.53,2972.59 8954.53,2927.41 8948,2920.89 8948,2879.11 8954.53,2872.59 8954.53,2827.41 8948,2820.89 8948,2779.11 8954.53,2772.59 8954.53,2727.41 8948,2720.89 8948,2679.11 8954.53,2672.59 8954.53,2627.41 8948,2620.89 8948,2579.11 8954.53,2572.59 8954.53,1979.53 v1@8948,1973
  other v1: 8948,1966
PC12: J2.5 P9.9 ZET6.113 | length 6495.5
  Top Layer w10: P9.9@7264,1787 7291,1787 7347,1843 8880,1843 v1@8932,1895 ; ZET6.113@7415.75,4217.32 7415.75,4335.75 7860,4780 8770,4780 J2.5@8800,4750
  Bottom Layer w10: J2.5@8800,4750 8824.53,4725.47 8868.63,4725.47 8883.63,4710.47 8918.31,4710.47 8939.53,4689.26 8939.53,4633.63 8933,4627.1 8933,4572.9 8939.53,4566.37 8939.53,4533.63 8933,4527.1 8933,4472.9 8939.53,4466.37 8939.53,4433.63 8933,4427.1 8933,4372.9 8939.53,4366.37 8939.53,4333.63 8933,4327.1 8933,4272.9 8939.53,4266.37 8939.53,4233.63 8933,4227.1 8933,4172.9 8939.53,4166.37 8939.53,4133.63 8933,4127.1 8933,4072.9 8939.53,4066.37 8939.53,4033.63 8933,4027.1 8933,3972.9 8939.53,3966.37 8939.53,3933.63 8933,3927.1 8933,3872.9 8939.53,3866.37 8939.53,3833.63 8933,3827.1 8933,3772.9 8939.53,3766.37 8939.53,3733.63 8933,3727.1 8933,3672.9 8939.53,3666.37 8939.53,3633.63 8933,3627.1 8933,3572.9 8939.53,3566.37 8939.53,3533.63 8933,3527.1 8933,3472.9 8939.53,3466.37 8939.53,3433.63 8933,3427.1 8933,3372.9 8939.53,3366.37 8939.53,3333.63 8933,3327.1 8933,3272.9 8939.53,3266.37 8939.53,3233.63 8933,3227.1 8933,3172.9 8939.53,3166.37 8939.53,3133.63 8933,3127.1 8933,3072.9 8939.53,3066.37 8939.53,3033.63 8933,3027.1 8933,2972.9 8939.53,2966.37 8939.53,2933.63 8933,2927.1 8933,2872.9 8939.53,2866.37 8939.53,2833.63 8933,2827.1 8933,2772.9 8939.53,2766.37 8939.53,2733.63 8933,2727.1 8933,2672.9 8939.53,2666.37 8939.53,2633.63 8933,2627.1 8933,2572.9 8939.53,2566.37 8939.53,2533.63 8924,2518.1 8924,1903 8932,1895 v1(8931,1894)
PC13: J1.6 ZET6.7 | length 1576.6
  Top Layer w10: J1.6@5460,4760 5830,4760 6563.62,4026.38 ZET6.7@6732.68,4026.38
PC14: C3.2 J1.7 Y2.1 ZET6.8 | length 3066.7
  Top Layer w10: J1.7@5350,4650 5350,4670 5390,4710 5790,4710 Y2.1@6300,4200 6350,4200 6543.31,4006.69 ZET6.8@6732.68,4006.69 ; v1(5749,4188) 5751,4190 5754,4190 5835,4109 v1(5835,3943) ; v1(6062,3726) 6090,3754 C3.2@6090,3799.94
  Bottom Layer w10: J1.7@5350,4650 5394.1,4650 5433.63,4610.47 5456.53,4610.47 5489.53,4577.47 5489.53,4453.47 5749,4194 v1(5749,4188) ; v1(5835,3943) 5836,3944 6054,3726 v1(6062,3726)
PC15: C4.2 J1.8 Y2.2 ZET6.9 | length 2688.9
  Top Layer w10: J1.8@5450,4650 5760,4650 5760,4651.42 Y2.2@6300,4111.42 6301.42,4110 6410,4110 6532.99,3987.01 ZET6.9@6732.68,3987.01 ; v1(5787,4265) 5795,4265 5835,4225 5846.21,4225 6061,4010.21 6061,3978.94 C4.2@6090,3949.94
  Bottom Layer w10: J1.8@5450,4650 5492,4692 5586,4692 5658,4620 5658,4394 v1(5787,4265) ; Y2.2@6290,4101.42 Y2.2@6300,4111.42
PD0: J2.4 ZET6.114 | length 1846.6
  Top Layer w10: ZET6.114@7396.06,4217.32 7396.06,4354.85 7841.21,4800 8840,4800 8890,4850 J2.4@8900,4850
PD1: J2.3 ZET6.115 | length 1783.7
  Top Layer w10: ZET6.115@7376.38,4217.32 7376.38,4356.38 7880,4860 8700,4860 8720,4840 8790,4840 J2.3@8800,4850
PD2: J2.2 P9.10 ZET6.116 | length 6707.5
  Top Layer w10: ZET6.116@7356.69,4217.32 7356.69,4371.69 7920,4935 8741.8,4935 8766.33,4910.47 8860.47,4910.47 J2.2@8900,4950 ; P9.10@7364,1787 8881,1787 v1(8975,1881)
  Bottom Layer w10: J2.2@8900,4950 8975,4875 v1(8975,1881)
PD3: J2.1 ZET6.117 | length 1871
  Top Layer w10: ZET6.117@7337.01,4217.32 7337.01,4395.79 7551.69,4610.47 7566.37,4610.47 7905.9,4950 J2.1@8800,4950
PD4: P3.19 ZET6.118 | length 529.1
  Top Layer w10: ZET6.118@7317.32,4217.32 7317.32,4397.32 7515,4595 7515,4615 P3.19@7550,4650
PD5: P3.20 ZET6.119 | length 637.2
  Top Layer w10: ZET6.119@7297.64,4217.32 7297.64,4398.85 7500,4601.21 7500,4673 7550,4723 P3.20@7550,4750
PD6: P3.17 ZET6.122 | length 520.2
  Top Layer w10: ZET6.122@7238.58,4217.32 7238.58,4438.58 P3.17@7450,4650
PD7: P3.18 ZET6.123 | length 628.4
  Top Layer w10: ZET6.123@7218.9,4217.32 7218.9,4463 7389.53,4633.63 7389.53,4689.53 P3.18@7450,4750